# Altium PCB LimeSDR-X3_1v1.PcbDoc (part 7 of 25) (continued)
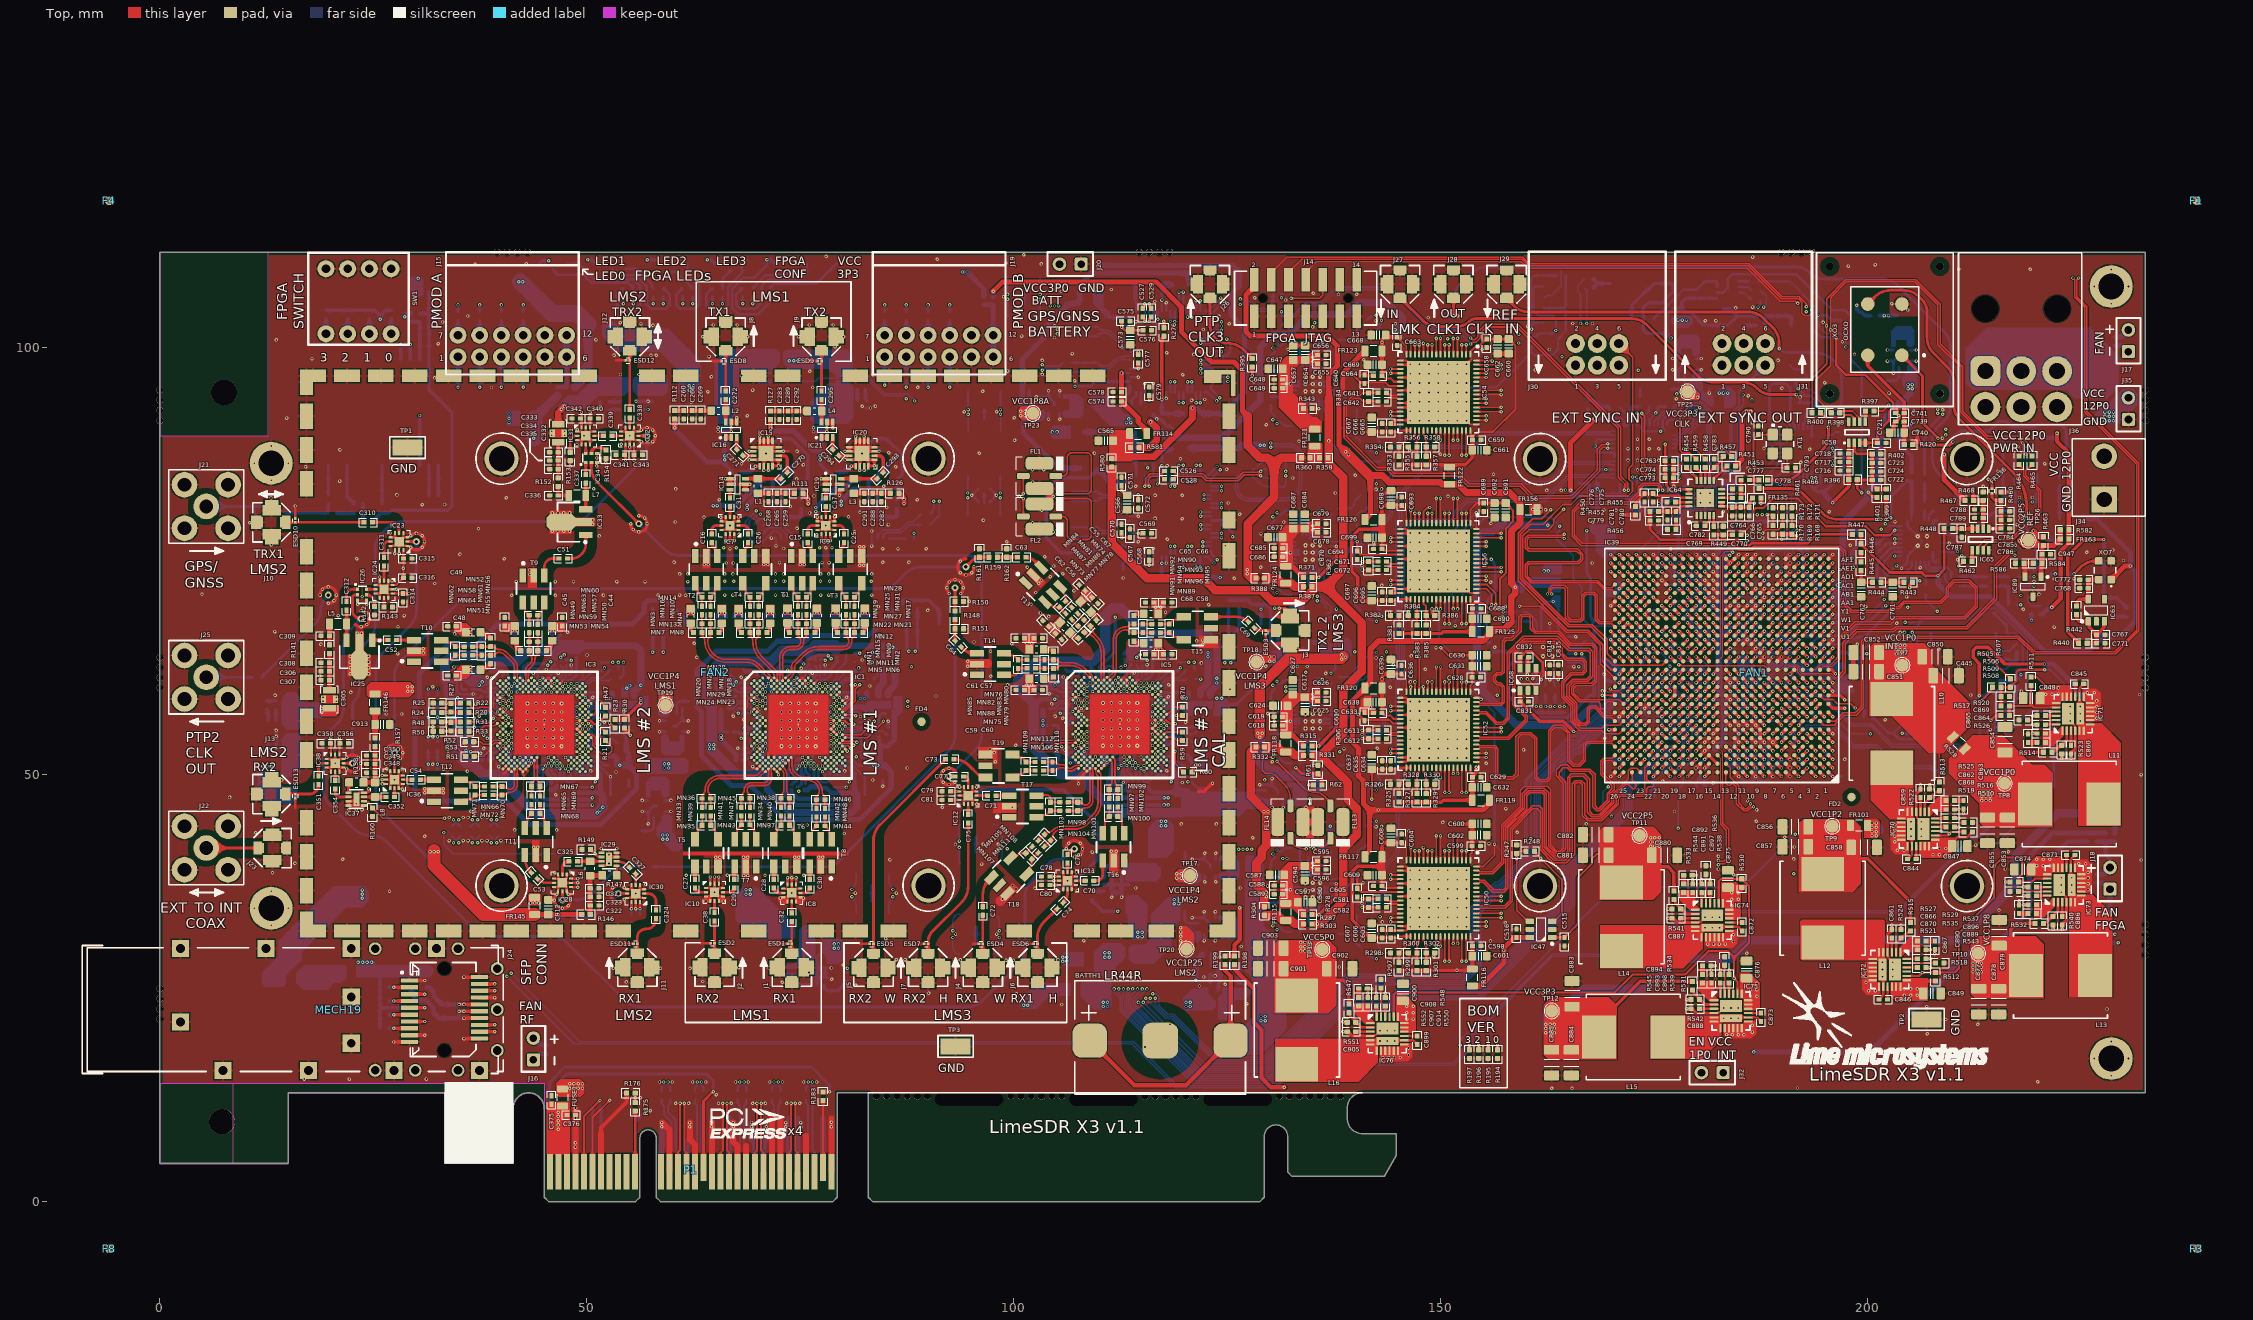
[diagram p0: Top view]
## Nets (pads, with @x,y where several pads share a name; then routed paths per layer and width w, separated by ;. In a path a pad name is that pad's centre, name@x,y a point inside that pad or via, vN(x,y) a via of type N, cw(c..) or ccw(c..) an arc to the next point about the centre after c; other vN are vias at no path point) (continued)
  Top w0.4: v1(173.875,65.775) IC39.T22@174.375,65.275
  Bottom w0.15: v1(173.875,65.775) 174.375,66.275 174.375,68.9 174.725,69.25 177.15,69.25 177.325,69.425 177.325,69.9 177.7,70.275 179.025,70.275 179.375,70.625 179.375,70.95 179.7,71.275 179.905,71.275 180.25,71.62 180.25,73 180.1,73.15 179.425,73.15 179.175,73.4 177.72,73.4 177.5,73.62 177.5,75.95 177.925,76.375 177.925,79.817 179.283,81.175 181.426,81.175 181.95,81.699 181.95,86.329 183.8,88.179 183.8,92.05 184.925,93.175 184.925,94.87 J31.5@187.99,97.935
EXT_SYNC_IN: IC39.P20 J30.6 | length 61.3
  Top w0.2: J30.6@170.84,100.475 172.45,98.865 172.45,86.3 172.025,85.875 172.025,84.6 172.425,84.2 172.425,83.15 171.9,82.625 166.225,82.625 165.225,81.625 164.275,81.625 161.975,79.325 160.475,79.325 159.325,78.175 159.325,72.875 164.899,67.301 167.565,67.301 169.2,65.666 169.2,63.75 170.15,62.8 175.9,62.8 IC39.P20@176.375,63.275
EXT_SYNC_OUT: IC39.M25 J31.6 | length 68.2
  Top w0.4: v1(170.875,60.775) IC39.M25@171.375,61.275
  L4 w0.1: v1(164.175,98.925) 164.475,99.225 186.74,99.225 J31.6@187.99,100.475
  L8 w0.1: v1(164.175,98.925) 164.175,96.075 165.725,94.525 165.725,86.175 163.175,83.625 163.175,81.75 165.4,79.525 165.4,67.25 170.475,62.175 170.475,61.575 170.875,61.175 v1(170.875,60.775)
FAN_CTRL: IC39.U4 R235.2 R236.1 VT2.G | length 71.5
  Top w0.4: IC39.U4@192.375,66.275 v1(192.875,66.775)
  L3 w0.13: v1(201.9,70.5) 202.575,70.5 203.875,69.2 206.35,69.2 218.375,57.175 218.375,44.55 224.9,38.025 224.9,35.325 v1(228.925,31.3)
  Bottom w0.13: v1(192.875,66.775) 193.245,67.145 197.07,67.145 198.725,68.8 200.2,68.8 v1(201.9,70.5)
  Bottom w0.4: VT2.G@224.8,32.9 R236.1@223.5,32.9 223.5,31.85 224.05,31.3 v1(228.925,31.3)
FPGA_CFG_CCLK: IC40.6 IC41.16 R164.2 | length 12.3
  Bottom w0.15: IC40.6@215.11,62.335 216.16,62.335 216.575,62.75 217.76,62.75 218.15,63.14 218.15,65.575 217.175,66.55 IC41.16@216.27,66.55
  Bottom w0.3: IC40.6@214.019,62.335 IC40.6@215.11,62.335 ; R164.2@214.634,68.941 214.738,68.941 215.759,67.92 216.27,67.409 IC41.16@216.27,66.55
FPGA_CFG_CS: IC39.P18 IC40.1 IC41.7 R193.2 | length 159.9
  Top w0.4: v1(177.875,63.775) IC39.P18@178.375,63.275
  L3 w0.1: v1(191.475,43) 192.185,43 v1(204.025,54.84)
  L8 w0.1: v1(152.25,18.3) 152.25,19.092 146.442,24.9 146.442,26.708 142,31.15 142,37.725 144.1,39.825 168.12,39.825 177.325,49.03 177.325,55.82 177.02,56.125 176.747,56.125 176.225,56.647 176.225,56.92 174.525,58.62 174.525,59.3 174.325,59.5 174.325,61.003 174.647,61.325 174.929,61.325 175.225,61.621 175.225,61.903 176.547,63.225 177.325,63.225 v1(177.875,63.775)
  Bottom w0.15: v1(152.25,18.3) 152.25,18.9 170.15,36.8 185.275,36.8 v1(191.475,43)
  Bottom w0.4: v1(177.875,63.775) R193.2@178.375,64.275 ; v1(204.025,54.84) 207.465,54.84 208.65,56.025 IC41.7@208.65,56.85 208.65,59.72 208.575,59.795 IC40.1@208.51,59.795 IC40.1@208.21,59.795
FPGA_CFG_D00: IC39.R14 R185.2 | length 62.7
  Top w0.1: IC39.R14@182.375,64.275 182.775,64.675 182.775,75.575 183.375,76.175 184.05,76.175 v1(184.175,76.05)
  L8 w0.1: v1(184.175,76.05) 183.75,76.475 183.75,80.959 185.341,82.55 188.442,82.55 191.667,79.325 195.95,79.325 203.475,71.8 203.475,69.667 204.825,68.317 204.825,66.505 205.03,66.3 213.75,66.3 v1(215.575,64.475)
  Bottom w0.25: v1(215.575,64.475) 216.54,64.475 R185.2@217.412,65.347
FPGA_CFG_D00_R: IC40.5 IC41.15 R185.1 R186.2 | length 6.6
  Bottom w0.4: IC41.15@215,66.55 215,63.68 215.075,63.605 215.41,63.605 215.485,63.53 216.424,63.53 216.704,63.25 R186.2@217.41,63.25 217.41,64.345 R185.1@217.412,64.347
FPGA_CFG_D01: IC39.R15 R187.2 | length 46
  Top w0.4: IC39.R15@181.375,64.275 v1(181.875,64.775)
  L8 w0.1: v1(181.875,64.775) 181.5,65.15 181.5,65.905 182.25,66.655 182.25,72.89 182.805,73.445 183.71,73.445 184.25,72.905 184.25,72.6 184.65,72.2 186.1,72.2 187.075,73.175 188.775,73.175 189.175,72.775 189.175,72.525 189.5,72.2 189.5,71.655 189.955,71.2 193.795,71.2 195.72,73.125 197.567,73.125 201.1,69.592 201.1,68.725 202.8,67.025 203.9,67.025 v1(204.275,66.65)
  Bottom w0.15: v1(204.275,66.65) 205.05,65.875 205.05,62.8 204.74,62.49 R187.2@204.74,59.05
FPGA_CFG_D01_R: IC40.2 IC41.8 R187.1 R188.2 | length 7.3
  Bottom w0.4: IC41.8@207.38,56.85 207.38,58.249 206.579,59.05 R187.1@205.74,59.05 R188.2@205.74,60.15 206.655,61.065 IC40.2@208.21,61.065
FPGA_CFG_D02: IC39.P14 R189.2 | length 51.7
  Top w0.1: IC39.P14@182.375,63.275 182.975,63.875 182.975,75.475 183.25,75.75 183.75,75.75 v1(183.825,75.675)
  L8 w0.1: v1(183.825,75.675) 183.5,76 183.5,80.992 185.258,82.75 188.525,82.75 191.75,79.525 196.033,79.525 203.675,71.883 203.675,69.75 205.175,68.25 v1(205.175,66.65)
  Bottom w0.2: v1(205.175,66.65) 205.74,66.085 R189.2@205.74,65.35
FPGA_CFG_D02_R: IC40.3 IC41.9 R189.1 R190.2 | length 7.3
  Bottom w0.4: IC41.9@207.38,66.55 207.38,65.151 206.579,64.35 R189.1@205.74,64.35 R190.2@205.74,63.25 206.655,62.335 IC40.3@208.21,62.335
FPGA_CFG_D03: IC39.N14 R191.2 | length 66.1
  Top w0.4: v1(181.875,61.775) IC39.N14@182.375,62.275
  L3 w0.1: v1(181.875,61.775) 182.65,61 182.65,57.495 185.02,55.125 190.038,55.125 190.266,54.897 190.266,54.559 190.7,54.125 200.65,54.125 205.55,59.025 205.55,66.925 204.65,67.825 v1(204.35,67.825)
  Bottom w0.15: v1(204.35,67.825) 205.871,67.825 206.446,68.4 212.129,68.4 213.229,69.5 214.887,69.5 218.725,65.662 218.725,59.365 R191.2@217.41,58.05
FPGA_CFG_D03_R: IC40.7 IC41.1 R191.1 R192.2 | length 6.2
  Bottom w0.4: IC40.7@215.41,61.065 215.485,60.99 216.57,60.99 R192.2@217.41,60.15 R191.1@217.41,59.05 216.308,57.948 216.308,56.888 IC41.1@216.27,56.85
FPGA_CFGBVS: IC39.AB15 R177.2 | length 1.4
  Top w0.4: v1(180.875,71.775) IC39.AB15@181.375,71.275
  Bottom w0.4: v1(180.875,71.775) R177.2@181.375,72.275
FPGA_DONE: IC39.W10 R178.1 R184.2 VT1.G | length 178.5
  Top w0.4: IC39.W10@186.375,68.275 v1(186.875,68.775)
  L3 w0.1: v1(186.425,93.875) 188.25,92.05 188.25,81.3 187.9,80.95 186.825,80.95 186.55,80.675 186.55,79.058 186.3,78.808 186.3,76.975 185.925,76.6 185.1,76.6 184.525,76.025 184.525,75.65 184,75.125 183.73,75.125 183.525,74.92 183.525,71.62 186.37,68.775 v1(186.875,68.775)
  L8 w0.1: v1(69.403,105.125) 69.578,104.95 69.583,104.95 69.908,104.625 103.5,104.625 104.625,105.75 108.375,105.75 109.825,107.2 110.8,107.2 111.6,108 122.689,108 123.414,108.725 134.3,108.725 134.575,108.45 142.075,108.45 142.57,107.955 169.22,107.955 177.675,99.5 177.675,96.825 179.825,94.675 180.35,94.675 181.15,93.875 v1(186.425,93.875)
  L6 w0.1: v1(186.425,93.875) 187.925,93.875 198.7,104.65 v1(198.7,104.975)
  Bottom w0.3: v1(69.403,105.125) R178.1@69.403,105.975
  Bottom w0.4: v1(198.7,104.975) 198.7,104.452 198.992,104.16 VT1.G@199.073,104.16 199.273,104.16 199.373,104.06 199.373,103.984 199.607,103.75 R184.2@200.349,103.75
FPGA_I2C_SCL: IC39.N16 IC42.2 IC43.6 IC44.6 IC45.6 R216.2 | length 187.4
  Top w0.4: v1(179.875,61.775) IC39.N16@180.375,62.275
  L3 w0.1: v1(163.458,102.001) 161.524,102.001 160.65,102.875 146.4,102.875 144.9,101.375 144.9,99.225 145.8,98.325 145.8,92.4 144.325,90.925 144.325,87.908 141.553,85.136 139.475,83.058 139.475,80.267 140.875,78.867 140.875,76.633 139.75,75.508 139.75,71.658 138.967,70.875 v1(135.525,70.875) 134.725,70.075 134.725,65.05 132.825,63.15 132.825,61.05 132.275,60.5 132.275,57.7 131.3,56.725 131.3,54.292 133.425,52.167 133.425,35.325 134.325,34.425 135.345,34.425 142.22,27.55 158.525,27.55 175.15,44.175 178.75,44.175 182.45,47.875 182.45,49.308 181.875,49.883 181.875,53.224 181.425,53.674 181.425,54.025 181.225,54.225 181.225,54.92 180.475,55.67 180.475,59.67 179.425,60.72 179.425,61.325 v1(179.875,61.775)
  Bottom w0.15: v1(135.525,70.875) 135.875,70.875 137.1,69.65 137.1,69.07 136.941,68.911 IC42.2@136.49,68.911
  Bottom w0.25: IC44.6@160.612,101.29 161.122,101.29 161.487,101.655 IC45.6@162.018,101.655 163.112,101.655 v1(163.458,102.001) 163.458,103.301 163.008,103.751 161.383,103.751 160.858,104.276 160.858,106.951 161.062,107.155 IC43.6@162.018,107.155
FPGA_I2C_SDA: IC39.N17 IC42.1 IC43.5 IC44.5 IC45.5 R213.2 | length 181.1
  Top w0.4: v1(178.875,61.775) IC39.N17@179.375,62.275
  L3 w0.1: v1(160.612,102.159) 159.966,102.159 159.45,102.675 146.483,102.675 145.1,101.292 145.1,99.308 146,98.408 146,92.317 144.525,90.842 144.525,87.825 139.675,82.975 139.675,80.35 141.075,78.95 141.075,76.55 139.95,75.425 139.95,71.575 139.05,70.675 135.85,70.675 v1(135.525,70.35) 134.925,69.75 134.925,64.075 133.725,62.875 133.725,62.467 133.45,62.192 133.45,61.3 132.475,60.325 132.475,57.617 131.5,56.642 131.5,54.375 133.625,52.25 133.625,35.408 134.408,34.625 135.428,34.625 142.303,27.75 158.442,27.75 175.067,44.375 178.667,44.375 182.25,47.958 182.25,49.225 181.675,49.8 181.675,53.141 181.225,53.591 181.225,53.92 180.275,54.87 180.275,58.88 179.225,59.93 179.225,61.425 v1(178.875,61.775)
  Bottom w0.15: v1(135.525,70.35) 135.975,70.35 136.49,69.835 IC42.1@136.49,69.411
  Bottom w0.25: IC44.5@160.612,101.79 v1(160.612,102.159) 160.612,102.579 160.957,102.925 ; IC45.5@162.018,102.925 160.957,102.925 ; R213.2@163.613,108.425 IC43.5@162.018,108.425 160.882,108.425 160.508,108.051 160.508,103.374 160.957,102.925
FPGA_INIT_B: IC39.V11 R181.2 | length 1.4
  Top w0.4: IC39.V11@185.375,67.275 v1(185.875,67.775)
  Bottom w0.4: v1(185.875,67.775) R181.2@186.375,68.275
FPGA_JTAG_TCK: IC39.H12 J14.6 | length 190.6
  Top w0.15: J14.6@132.15,107.925 132.15,108.8 133.675,110.325 159.504,110.325 160.254,109.575 186,109.575 189.875,105.7 191.871,105.7 192.275,105.296 192.275,104.05 192.6,103.725 193.15,103.725 193.425,104 v1(193.425,104.45)
  Top w0.4: IC39.H12@184.375,57.275 v1(184.875,56.775)
  L4 w0.1: v1(184.875,56.775) 184.38,56.775 183.525,55.92 183.525,47.391 186.866,44.05 197.508,44.05 199.883,41.675 204.8,41.675 205.65,42.525 205.65,43.024 205.85,43.224 205.85,43.791 206.084,44.025 207.684,44.025 209.675,46.016 213.559,49.9 214.909,49.9 219.625,54.616 219.625,70.409 218.425,71.609 218.425,76.816 219.725,78.116 219.725,85.875 219.4,86.2 217.859,86.2 213.584,90.475 212.475,90.475 210.3,92.65 210.3,96.2 204.9,101.6 197.45,101.6 194.6,104.45 v1(193.425,104.45)
FPGA_JTAG_TDI: IC39.H10 J14.10 | length 175.9
  Top w0.2: v1(132.45,105.775) 135.8,105.775 136.15,106.125 J14.10@136.15,107.925
  Top w0.4: IC39.H10@186.375,57.275 v1(186.875,56.775)
  L8 w0.1: v1(132.45,105.775) 132.775,105.45 132.775,101.675 134.725,99.725 137.6,99.725 140.325,102.45 143.425,102.45 145.05,104.075 151.62,104.075 151.645,104.05 151.805,104.05 151.83,104.075 169.423,104.075 173.125,100.373 v1(173.125,97.35)
  L6 w0.1: v1(173.125,97.35) 174.475,96 183.275,96 185.8,93.475 198.6,93.475 203.175,98.05 208.45,98.05 211.125,95.375 211.125,92.625 212.7,91.05 222.705,91.05 223.125,90.63 223.125,89.875 220.025,86.775 220.025,80.525 206.825,67.325 206.825,62.2 200.3,55.675 v1(200.3,54.775)
  Bottom w0.15: v1(186.875,56.775) 187.375,56.275 196.5,56.275 198,54.775 v1(200.3,54.775)
FPGA_JTAG_TDO: IC39.J10 J14.8 | length 201.5
  Top w0.15: J14.8@134.15,107.925 134.15,108.825 135.4,110.075 159.4,110.075 160.175,109.3 185.886,109.3 189.736,105.45 191.5,105.45 v1(191.775,105.175)
  Top w0.4: IC39.J10@186.375,58.275 v1(186.875,57.775)
  L4 w0.1: v1(186.875,57.775) 187.525,58.425 189.02,58.425 189.425,58.83 189.425,60.775 188.875,61.325 186.93,61.325 183.125,57.52 183.125,47.225 186.7,43.65 197.342,43.65 200.392,40.6 204.825,40.6 213.725,49.5 215.075,49.5 220.025,54.45 220.025,70.575 218.825,71.775 218.825,76.65 220.125,77.95 220.125,86.041 219.566,86.6 218.025,86.6 213.75,90.875 212.641,90.875 210.7,92.816 210.7,96.366 205.066,102 197.616,102 194.441,105.175 v1(191.775,105.175)
FPGA_JTAG_TMS: IC39.H11 J14.4 | length 205
  Top w0.15: J14.4@130.2,108.15 130.2,108.825 131.95,110.575 159.607,110.575 160.357,109.825 186.104,109.825 189.979,105.95 191.975,105.95 192.8,105.125 v1(192.8,104.8)
  Top w0.4: IC39.H11@185.375,57.275 v1(185.875,56.775)
  L4 w0.1: v1(185.875,56.775) 185.875,57.27 187.525,58.92 187.805,59.2 188.795,59.2 189.225,59.63 189.225,59.92 188.02,61.125 187.73,61.125 183.325,56.72 183.325,47.308 186.783,43.85 197.425,43.85 200.475,40.8 204.742,40.8 205.85,41.908 205.85,42.609 205.85,42.941 206.109,43.2 207.142,43.2 209.875,45.933 213.642,49.7 214.992,49.7 219.825,54.533 219.825,70.492 218.625,71.692 218.625,76.733 219.925,78.033 219.925,85.958 219.483,86.4 217.942,86.4 213.667,90.675 212.558,90.675 210.5,92.733 210.5,96.283 204.983,101.8 197.533,101.8 194.533,104.8 v1(192.8,104.8)
FPGA_LED1_G: IC39.T20 R207.2 | length 169.5
  Top w0.4: v1(175.875,65.775) IC39.T20@176.375,65.275
  L8 w0.1: v1(54.267,105.125) 54.617,104.775 55.583,104.775 55.733,104.925 57.067,104.925 58.017,103.975 63.775,103.975 64.4,103.35 68.875,103.35 69.221,103.004 71.564,103.004 110.564,103.004 111.534,103.975 121.775,103.975 124.325,106.525 132.228,106.525 132.975,105.778 132.975,101.758 134.808,99.925 137.325,99.925 140.05,102.65 143.175,102.65 144.8,104.275 151.703,104.275 151.725,104.253 151.747,104.275 169.505,104.275 173.529,100.251 173.529,95.079 171.55,93.1 171.55,84.525 172.525,83.55 172.525,74.63 172.73,74.425 173.164,74.425 173.475,74.114 173.475,70.67 175.225,68.92 175.225,68.45 176.225,67.45 176.225,66.125 v1(175.875,65.775)
  Bottom w0.3: v1(54.267,105.125) R207.2@54.267,105.975
FPGA_LED1_R: IC39.U17 R212.2 | length 176.9
  Top w0.4: v1(178.875,66.775) IC39.U17@179.375,66.275
  L8 w0.1: v1(55.438,105.125) 57.15,105.125 58.1,104.175 63.858,104.175 64.483,103.55 68.958,103.55 69.304,103.204 110.481,103.204 111.451,104.175 121.692,104.175 124.242,106.725 132.311,106.725 133.175,105.861 133.175,101.841 134.891,100.125 137.15,100.125 141.525,104.5 169.341,104.5 169.563,104.5 173.729,100.334 173.729,94.996 171.825,93.092 171.825,91.475 172.25,91.05 172.25,87.864 172.889,87.225 173.109,87.225 173.6,86.734 173.6,86.434 174.009,86.025 177.375,86.025 177.525,85.875 179.345,85.875 179.775,85.445 179.775,84.772 178.725,83.722 178.725,81.876 173.5,76.651 173.5,74.655 173.73,74.425 174.142,74.425 174.475,74.092 174.475,70.68 177.755,67.4 178.25,67.4 v1(178.875,66.775)
  Bottom w0.3: v1(55.438,105.125) R212.2@55.438,105.975
FPGA_LED2_G: IC39.U16 R217.2 | length 175.1
  Top w0.4: v1(179.875,66.775) IC39.U16@180.375,66.275
  L8 w0.1: v1(57.746,105.125) 58.496,104.375 63.95,104.375 64.575,103.75 69.041,103.75 69.386,103.404 110.398,103.404 111.369,104.375 121.609,104.375 124.159,106.925 132.394,106.925 133.375,105.944 133.375,101.924 134.974,100.325 137.067,100.325 141.442,104.7 169.408,104.7 169.416,104.708 169.424,104.7 169.646,104.7 173.929,100.417 173.929,94.914 172.025,93.009 172.025,91.558 172.45,91.133 172.45,87.947 172.972,87.425 173.192,87.425 173.8,86.817 173.8,86.517 174.092,86.225 174.975,86.225 177.458,86.225 177.608,86.075 179.428,86.075 179.975,85.528 179.975,84.689 179.755,84.47 178.925,83.639 178.925,82.458 178.925,81.794 174.325,77.194 174.325,74.543 174.643,74.225 175.071,74.225 175.25,74.046 175.25,70.917 176.325,69.842 176.325,69.547 176.647,69.225 177.081,69.225 177.325,68.981 177.325,68.547 177.747,68.125 178.03,68.125 178.73,67.425 179.225,67.425 v1(179.875,66.775)
  Bottom w0.3: v1(57.746,105.125) R217.2@57.746,105.975
FPGA_LED2_R: IC39.V17 R220.2 | length 172
  Top w0.4: v1(178.875,67.775) IC39.V17@179.375,67.275
  L8 w0.1: v1(58.917,105.125) 59.467,104.575 64.033,104.575 64.658,103.95 69.124,103.95 69.469,103.604 110.315,103.604 111.286,104.575 121.526,104.575 124.076,107.125 132.476,107.125 133.575,106.026 133.575,102.006 134.431,101.15 137.574,101.15 141.349,104.925 169.482,104.925 169.704,104.925 174.129,100.5 174.129,94.831 172.225,92.926 172.225,91.641 172.65,91.216 172.65,88.03 173.055,87.625 173.275,87.625 174,86.9 174,86.6 174.175,86.425 175.775,86.425 177.541,86.425 177.691,86.275 179.511,86.275 180.175,85.611 180.175,84.606 179.972,84.403 179.125,83.556 179.125,81.711 174.525,77.111 174.525,74.626 174.529,74.626 174.73,74.425 175.154,74.425 175.45,74.129 175.45,71 176.525,69.925 176.525,69.63 176.73,69.425 177.164,69.425 177.525,69.064 177.525,68.63 177.73,68.425 178.164,68.425 178.814,67.775 v1(178.875,67.775)
  Bottom w0.3: v1(58.917,105.125) R220.2@58.917,105.975
FPGA_LED3_G: IC39.U15 R221.2 | length 171.5
  Top w0.4: v1(180.875,66.775) IC39.U15@181.375,66.275
  L8 w0.1: v1(61.225,105.125) 61.575,104.775 64.116,104.775 64.741,104.15 69.206,104.15 69.552,103.804 110.232,103.804 111.203,104.775 113.949,104.775 115.124,105.95 120.325,105.95 120.875,106.5 123.169,106.5 123.594,106.925 123.994,107.325 132.559,107.325 133.775,106.109 133.775,102.126 134.167,101.734 134.501,101.4 137.541,101.4 141.266,105.125 169.565,105.125 169.787,105.125 174.329,100.583 174.329,94.748 172.425,92.844 172.425,92 173.425,91 173.425,87.776 174.001,87.2 177.926,87.2 178.626,86.5 179.568,86.5 180.375,85.693 180.375,84.524 179.325,83.474 179.325,81.628 175.85,78.153 175.85,76.55 175.25,75.95 175.25,74.612 175.637,74.225 176.001,74.225 176.325,73.901 176.325,72.674 175.925,72.274 175.925,71.382 176.325,70.981 176.325,70.547 176.647,70.225 177.015,70.225 177.325,69.915 177.325,69.547 177.647,69.225 178.067,69.225 178.325,68.967 178.325,68.547 178.647,68.225 178.93,68.225 179.73,67.425 180.225,67.425 v1(180.875,66.775)
  Bottom w0.3: v1(61.225,105.125) R221.2@61.225,105.975
FPGA_LED3_R: IC39.V16 R222.2 | length 169
  Top w0.4: v1(179.875,67.775) IC39.V16@180.375,67.275
  L8 w0.1: v1(62.396,105.125) 64.058,105.125 64.833,104.35 69.289,104.35 69.635,104.004 110.149,104.004 111.12,104.975 113.866,104.975 115.041,106.15 120.242,106.15 120.792,106.7 123.086,106.7 123.511,107.125 123.911,107.525 132.642,107.525 133.975,106.192 133.975,102.209 134.584,101.6 137.458,101.6 141.183,105.325 169.648,105.325 169.87,105.325 174.529,100.665 174.529,94.665 172.625,92.761 172.625,92.083 173.625,91.083 173.625,90.375 173.625,87.859 174.084,87.4 178.009,87.4 178.709,86.7 179.651,86.7 180.575,85.776 180.575,84.441 179.525,83.391 179.525,81.545 176.05,78.07 176.05,76.467 175.45,75.867 175.45,74.695 175.46,74.695 175.73,74.425 176.084,74.425 176.525,73.984 176.525,72.591 176.125,72.191 176.125,71.464 176.525,71.064 176.525,70.63 176.73,70.425 177.098,70.425 177.534,69.99 177.525,69.981 177.525,69.63 177.73,69.425 178.15,69.425 178.525,69.05 178.525,68.63 178.73,68.425 179.164,68.425 179.814,67.775 v1(179.875,67.775)
  Bottom w0.3: v1(62.396,105.125) R222.2@62.396,105.975
FPGA_LED4_G: IC39.U14 R226.2 | length 167.2
  Top w0.4: v1(181.875,66.775) IC39.U14@182.375,66.275
  L8 w0.1: v1(64.696,105.125) 65.271,104.55 69.372,104.55 69.718,104.204 110.066,104.204 111.037,105.175 113.783,105.175 114.958,106.35 118.366,106.35 118.916,106.9 123.003,106.9 123.428,107.325 123.828,107.725 132.725,107.725 134.175,106.275 134.175,102.292 134.667,101.8 137.375,101.8 141.1,105.525 169.731,105.525 169.952,105.525 174.729,100.748 174.729,94.561 173.975,93.806 173.975,91.158 173.825,91.008 173.825,90.458 173.825,87.942 174.167,87.6 178.092,87.6 178.792,86.9 179.734,86.9 180.775,85.859 180.775,84.358 179.725,83.308 179.725,81.462 176.25,77.987 176.25,74.542 176.725,74.067 176.725,72.508 176.325,72.108 176.325,71.547 176.722,71.15 177.05,71.15 178.275,69.925 178.275,69.597 178.747,69.125 179.02,69.125 179.225,68.92 179.225,68.647 179.647,68.225 179.925,68.225 180.725,67.425 181.225,67.425 v1(181.875,66.775)
  Bottom w0.3: v1(64.696,105.125) R226.2@64.696,105.975
FPGA_LED4_R: IC39.V14 R229.2 | length 165.6
  Top w0.4: v1(181.875,67.775) IC39.V14@182.375,67.275
  L8 w0.1: v1(65.867,105.125) 66.242,104.75 69.5,104.75 69.825,104.425 70.975,104.425 109.975,104.425 110.925,105.375 113.7,105.375 114.875,106.55 118.283,106.55 118.833,107.1 122.92,107.1 123.745,107.925 132.825,107.925 134.375,106.375 134.375,102.375 134.75,102 137.293,102 141.018,105.725 169.813,105.725 170.035,105.725 174.95,100.81 174.95,94.499 174.175,93.724 174.175,91.075 174.025,90.925 174.025,88.025 174.25,87.8 178.175,87.8 178.875,87.1 179.817,87.1 180.975,85.942 180.975,84.275 180.538,83.838 179.925,83.225 179.925,81.379 176.45,77.904 176.45,74.625 176.925,74.15 176.925,72.425 176.525,72.025 176.525,71.63 176.805,71.35 177.133,71.35 178.475,70.008 178.475,69.68 178.83,69.325 179.103,69.325 179.425,69.003 179.425,68.942 179.425,68.73 179.73,68.425 180.025,68.425 180.3,68.15 181.5,68.15 v1(181.875,67.775)
  Bottom w0.3: v1(65.867,105.125) R229.2@65.867,105.975
FPGA_LMS2_BB_ADC1_RESET: IC39.D23 IC50.12 | length 31.8
  Top w0.24: IC50.12@147.95,39.95 v1(147.95,41.456)
  Top w0.4: v1(172.875,52.775) IC39.D23@173.375,53.275
  L4 w0.1: v1(147.95,41.456) 153.831,41.456 164,51.625 170.2,51.625 170.8,52.225 172.325,52.225 v1(172.875,52.775)
FPGA_LMS2_BB_ADC2_RESET: IC39.K23 IC52.12 | length 27.3
  Top w0.24: IC52.12@147.95,59.7 v1(147.95,60.289)
  Top w0.4: v1(172.875,58.775) IC39.K23@173.375,59.275
  L4 w0.1: v1(147.95,60.289) 148.353,59.885 157.091,59.885 157.626,59.35 164.633,59.35 165.108,58.875 168.133,58.875 168.483,58.525 169.238,58.525 169.838,59.125 172.525,59.125 v1(172.875,58.775)
FPGA_LMS2_BB_DAC1_CLK_N: IC39.L2 R490.1 | length 108.6
  Top w0.4: IC39.L2@194.375,60.275 v1(194.875,59.775)
  L4 w0.1: v1(131.841,85.5) 131.9,85.5 132.05,85.35 137.15,85.35 138.775,83.725 138.775,79.789 139.564,79 141.808,79 144.058,76.75 151.075,76.75 151.3,76.975 151.3,79.208 152.192,80.1 157.3,80.1 160.125,77.275 166.317,77.275 167.792,78.75 172.211,78.75 173.061,79.6 198.25,79.6 198.875,78.975 200.024,78.975 202,76.999 202,73.9 203.35,72.55 203.35,71.3 203.7,70.95 203.7,69.267 201.925,67.492 201.925,62.7 199.4,60.175 195.275,60.175 v1(194.875,59.775)
  Bottom w0.2: R490.1@131.075,86.8 131.494,86.8 cw(c131.494,86.453) 131.841,86.453 v1(131.841,85.5)
FPGA_LMS2_BB_DAC1_CLK_P: IC39.M2 R486.1 | length 108
  Top w0.4: IC39.M2@194.375,61.275 v1(194.875,60.775)
  L4 w0.1: v1(131.841,85) 131.9,85 132.05,85.15 137.067,85.15 138.575,83.642 138.575,79.706 139.481,78.8 141.725,78.8 143.975,76.55 151.158,76.55 151.5,76.892 151.5,79.125 152.275,79.9 157.217,79.9 160.042,77.075 166.4,77.075 167.875,78.55 172.294,78.55 173.144,79.4 198.167,79.4 198.792,78.775 199.941,78.775 201.8,76.916 201.8,73.817 203.15,72.467 203.15,71.217 203.5,70.867 203.5,69.35 201.725,67.575 201.725,62.783 199.317,60.375 195.275,60.375 v1(194.875,60.775)
  Bottom w0.2: R486.1@131.075,83.7 131.494,83.7 ccw(c131.494,84.047) 131.841,84.047 v1(131.841,85)
FPGA_LMS2_BB_DAC2_CLK_N: IC39.D5 R502.1 | length 155.9
  Top w0.4: v1(190.875,53.775) IC39.D5@191.375,53.275
  L4 w0.1: v1(131.325,105.844) 131.325,105.397 131.6,105.122 134.147,105.122 134.4,105.375 137.4,105.375 140.475,102.3 143.25,102.3 144.325,103.375 145.108,103.375 145.533,102.95 151.792,102.95 152.792,103.95 167.683,103.95 168.908,102.725 188.933,102.725 190.958,100.7 214.45,77.208 214.45,68.587 216.7,66.337 216.7,63.892 215.925,63.117 215.925,56.069 207.231,47.375 192.067,47.375 190.275,49.167 190.275,52.033 191.275,53.033 191.275,53.375 v1(190.875,53.775)
  Bottom w0.4: v1(131.325,105.844) R502.1@131.325,106.269
FPGA_LMS2_BB_DAC2_CLK_P: IC39.E5 R494.1 | length 154.9
  Top w0.4: IC39.E5@191.375,54.275 v1(191.875,53.775)
  L4 w0.1: v1(131.325,104.2) 131.325,104.647 131.6,104.922 134.23,104.922 134.483,105.175 137.317,105.175 140.392,102.1 142.625,102.1 143.333,102.1 144.408,103.175 145.025,103.175 145.45,102.75 151.875,102.75 152.875,103.75 167.6,103.75 168.825,102.525 188.85,102.525 214.25,77.125 214.25,68.504 216.5,66.254 216.5,63.975 215.725,63.2 215.725,56.152 207.148,47.575 192.15,47.575 190.475,49.25 190.475,51.95 191.475,52.95 191.475,53.375 v1(191.875,53.775)
  Bottom w0.4: R494.1@131.325,103.775 v1(131.325,104.2)
FPGA_LMS3_BB_ADC1_RESET: IC39.D24 IC54.12 | length 77.7
  Top w0.24: IC54.12@147.95,99.2 v1(147.95,100.525)
  Top w0.4: v1(171.875,52.775) IC39.D24@172.375,53.275
  L8 w0.1: v1(147.95,100.525) 147.125,101.35 145.975,101.35 145.6,100.975 145.6,80.843 147.168,79.275 152.678,79.275 153.693,78.26 153.693,64.157 155.35,62.5 155.35,58.826 156.051,58.125 158.2,58.125 159.225,59.15 165.724,59.15 166.724,60.15 169.045,60.15 169.25,59.945 169.25,59.675 171.1,57.825 171.1,57.475 171.325,57.25 171.325,56.53 171.525,56.33 171.525,53.125 v1(171.875,52.775)
FPGA_LMS3_BB_ADC2_RESET: IC39.D20 IC56.12 | length 60.4
  Top w0.24: IC56.12@147.95,79.45 147.95,80.775 148.45,81.275 v1(148.7,81.275)
  Top w0.4: v1(175.875,52.775) IC39.D20@176.375,53.275
  L8 w0.1: v1(148.7,81.275) 146.225,81.275 146,81.05 146,80.726 147.251,79.475 152.761,79.475 153.893,78.342 153.893,64.239 155.55,62.583 155.55,58.909 156.134,58.325 158.117,58.325 159.142,59.35 165.641,59.35 166.641,60.35 169.128,60.35 169.45,60.028 169.45,59.8 171.3,57.95 171.3,57.575 171.325,57.55 171.325,57.547 171.525,57.347 171.525,56.63 175.38,52.775 v1(175.875,52.775)
FPGA_M0: IC39.AB7 R168.2 R171.1 | length 13.3
  Top w0.2: v1(189.875,77.546) 191.871,77.546 192.125,77.8 192.125,78.875 191.85,79.15 R168.2@191.1,79.15 R171.1@191.1,80.25
  Top w0.4: IC39.AB7@189.375,71.275 v1(189.875,71.775)
  L3 w0.1: v1(189.875,71.775) 189.814,71.775 188.775,72.814 188.775,74.38 188.525,74.63 188.525,76.196 v1(189.875,77.546)
FPGA_M1: IC39.Y9 R169.2 R172.1 | length 15.6
  Top w0.15: v1(187.675,78.275) 188.05,78.65 189.5,78.65 R169.2@190,79.15
  Top w0.2: R169.2@190,79.15 R172.1@190,80.25
  Top w0.4: IC39.Y9@187.375,69.275 v1(187.875,69.775)
  L3 w0.1: v1(187.675,78.275) 187.1,77.7 187.1,76.572 186.475,75.947 186.475,75.567 186.058,75.15 185.725,75.15 185.525,74.95 185.525,71.63 185.755,71.4 186.15,71.4 186.525,71.025 186.525,70.63 186.72,70.435 186.72,70.425 187.164,70.425 187.814,69.775 v1(187.875,69.775)
FPGA_M2: IC39.W9 R170.2 R173.1 | length 18.7
  Top w0.2: v1(188.225,80.45) 188.7,80.45 R173.1@188.9,80.25 R170.2@188.9,79.15
  Top w0.4: IC39.W9@187.375,68.275 v1(187.875,68.775)
  L3 w0.1: v1(187.875,68.775) 187.814,68.775 187.414,69.175 186.697,69.175 186.275,69.597 186.275,70.021 186.071,70.225 185.647,70.225 185.325,70.547 185.325,70.925 185.075,71.175 184.592,71.175 184.275,71.492 184.275,74.953 184.747,75.425 185.02,75.425 185.325,75.73 185.325,76.003 185.647,76.325 185.967,76.325 186.5,76.858 186.5,78.725 v1(188.225,80.45)
FPGA_MGTAVCC: C476.2 C477.1 C478.1 C479.1 C480.1 C481.1 C482.1 C483.1 C484.1 C485.1 C486.1 FR100.1 IC39.AA10 IC39.AA12 IC39.AC9 IC39.AC11 IC39.AC13 IC39.D9 IC39.D11 IC39.D13 IC39.F10 IC39.F12 | length 29.4
  Top w0.4: IC39.D13@183.375,53.275 v1(183.875,52.775) ; IC39.AC13@183.375,72.275 v1(183.875,72.775) ; IC39.F12@184.375,55.275 v1(184.875,54.775) ; IC39.AA12@184.375,70.275 v1(184.875,70.775) ; IC39.D11@185.375,53.275 v1(185.875,52.775) ; IC39.AC11@185.375,72.275 v1(185.875,71.775) ; IC39.F10@186.375,55.275 v1(186.875,54.775) ; IC39.AA10@186.375,70.275 v1(186.875,70.775) ; IC39.D9@187.375,53.275 v1(187.875,52.775) ; IC39.AC9@187.375,72.275 v1(187.875,72.775)
  Bottom w0.3: v1(183.875,52.775) 183.425,52.325 183.425,51.589 183.932,51.082
  Bottom w0.4: 183.975,51.125 184.375,51.525 184.375,52.275 ; 184.325,51.2 184.125,51 184.125,50.75 184.65,51.275 188.082,51.275 188.375,51.568 C485.1@188.375,52.275 v1(187.875,52.775) ; v1(184.875,70.775) C479.1@185.4,71.3 ; C481.1@185.325,55.275 185.275,55.275 185.225,55.225 185.225,55.125 v1(184.875,54.775) 184.375,54.275 184.375,53.275 v1(183.875,52.775) 184.375,52.275 ; C480.1@186.35,53.15 186.4,53.2 C480.1@186.4,53.25 ; C480.1@186.375,53.275 v1(185.875,52.775) 185.375,52.275 184.375,52.275 ; v1(186.875,70.775) C483.1@187.388,71.287 ; C477.1@187.4,55.25 187.35,55.25 187.3,55.2 187.3,55.15 186.925,54.775 v1(186.875,54.775) C486.1@187.375,54.275 187.375,53.275 v1(187.875,52.775) ; v1(187.875,72.775) C478.1@188.369,72.281 ; C484.1@188.375,53.275 v1(187.875,52.775)